# Allegro board RK_EVB7_RK3588_LP4XD200P232SD8_V11_20230111YWQ.brd (continued)
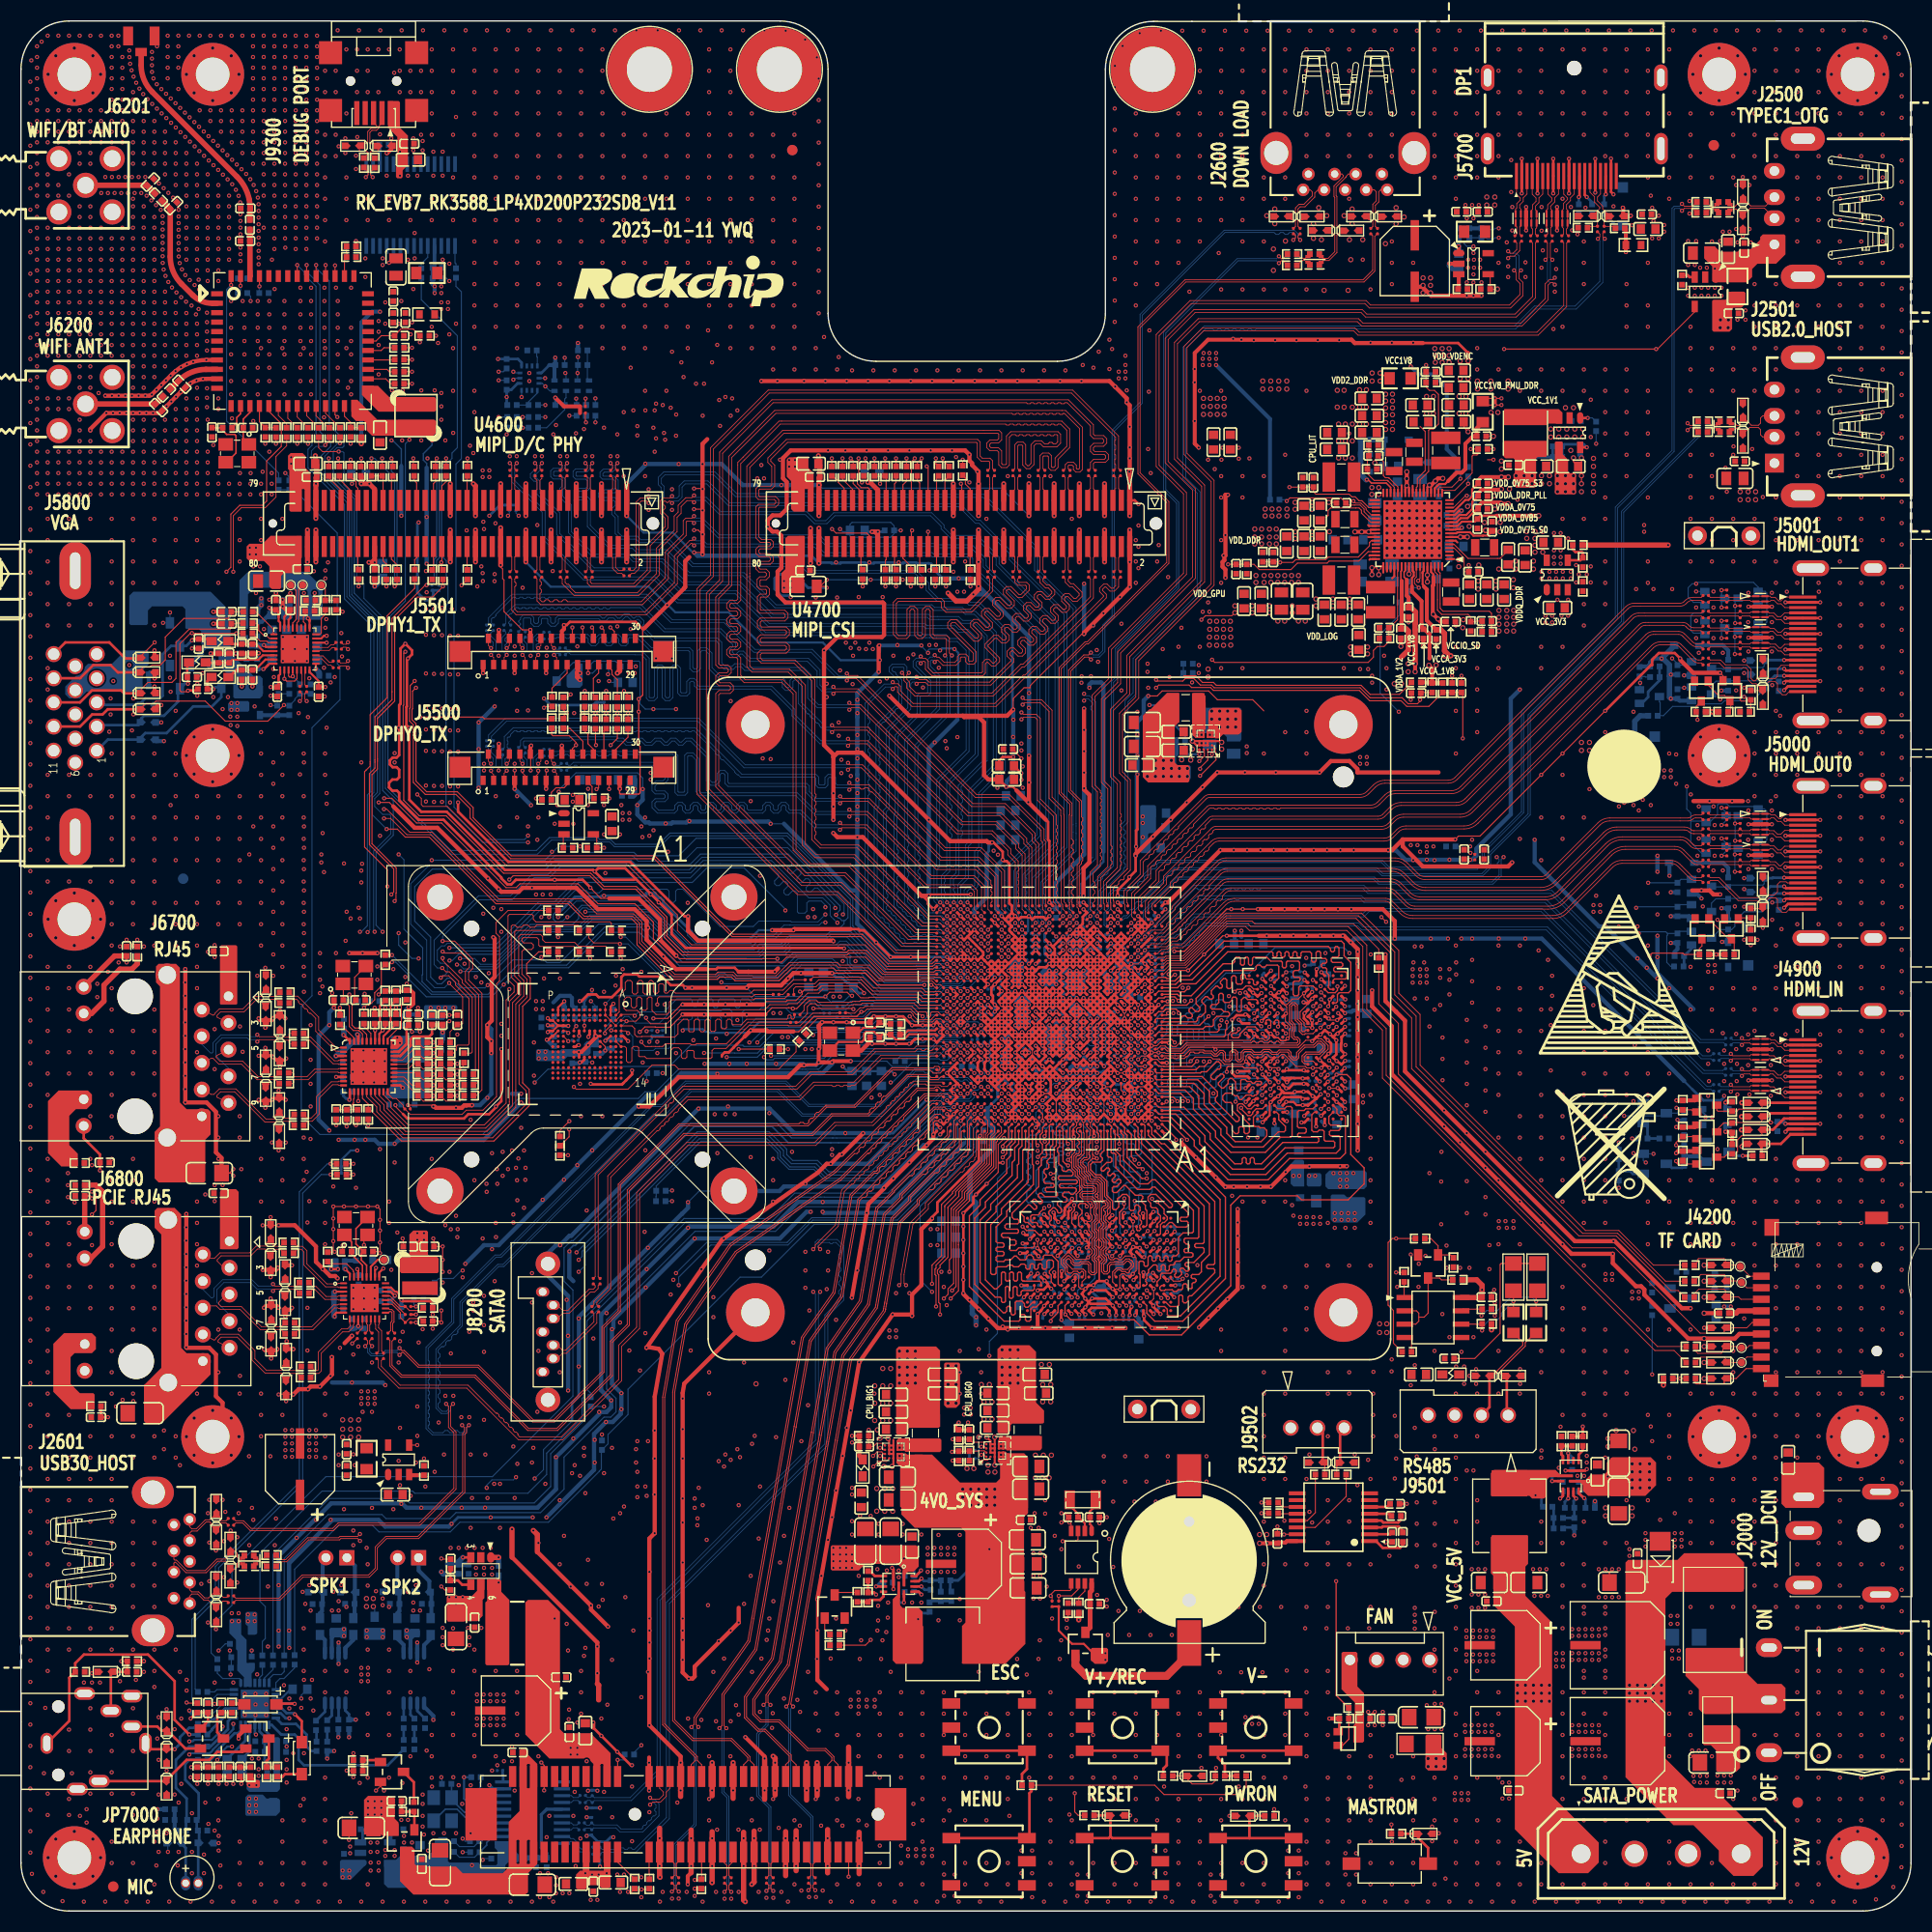
[diagram p0: board, top side]
## Routing (per net, layer and track width the routed paths; a pad name or vN(x,y) marks a point on that pad's centre or on a via; arc(x,y) is an arc through that point) (continued)
HDMI1_TX_CEC_PORT: length 9.4
  TOP w0.254: J5001.13 v1(167.92,119.14)
  BOTTOM w0.104: ED5012.1 166.01,118.56 165.89,118.43 164.01,118.43 163.84,118.26 R5039.2 162.1,118.26 162.03,118.33 Q5013.3
  BOTTOM w0.254: ED5012.1 166.08,119.14 v1(167.92,119.14)
HDMI1_TX_ON_H: length 116.5
  TOP w0.089: U1000.AK25 v1(93.39,92.8)
  L3-POWER1 w0.104: v1(159.03,106.34) 159.03,107.66 158.63,108.06 158.63,109.71 158.57,109.77 158.57,112.68 159.16,113.27 159.16,126.02 v1(159.54,126.41)
  L6-S2 w0.089: v1(93.39,92.8) 93.39,92.99 93.91,93.51 93.91,96.27 93.9,96.28
  L6-S2 w0.104: 93.9,96.28 93.9,96.58 95.07,97.75 95.07,100.42 99.67,105.02 104.59,105.02 105.35,105.78 110.29,105.78 111.04,105.03 129.39,105.03 130.22,105.85 150.68,105.85 151.44,106.62 153.9,106.62 154.17,106.34 v1(159.03,106.34)
  BOTTOM w0.104: Q5012.1 160.22,121.71 159.28,121.71 159.03,121.96 159.03,123.36 159.28,123.61 160.17,123.61 160.37,123.8 Q5010.1 160.1,124.63 159.28,124.63 158.78,125.14 158.78,126.02 159.16,126.41 v1(159.54,126.41) 159.66,126.53 165,126.53 165.44,126.09 Q5011.1 166.1,125.68 166.27,125.52 166.27,122.75 166.11,122.59 Q5009.1
HDMI1_TX_SBDN/EDP1_TX_AUXN: length 63.9
  TOP w0.076: U1000.AP2 108.01,95.73 108.01,95.8 109.73,97.51 109.73,97.85 109.85,97.98 110.02,97.98 110.19,98.14 110.19,98.31 110.35,98.47 110.52,98.47 110.68,98.63 110.68,98.8 110.84,98.96 111.01,98.96 111.17,99.12 111.17,99.29 111.34,99.46 111.51,99.46 111.67,99.62 111.67,99.79 111.83,99.95 112,99.95 112.16,100.11 112.16,100.28 112.32,100.44 112.49,100.44 112.66,100.61 112.66,100.78 112.82,100.94 112.99,100.94 113.15,101.1 113.15,101.27 113.54,101.66 arc(113.8,101.83) 114.1,101.89 129.82,101.89 arc(130.29,101.99) 130.69,102.25 131.22,102.78 arc(131.52,102.99) 131.88,103.06 137.44,103.06 arc(138.16,103.2) 138.77,103.61 155.47,120.31 arc(155.78,120.52) 156.15,120.59 157.51,120.59 arc(157.73,120.54) 157.91,120.42 158.02,120.32 159.28,119.06 arc(159.49,118.91) 159.75,118.86 160.02,118.86 C5016.1
HDMI1_TX_SBDP/EDP1_TX_AUXP: length 64.4
  TOP w0.076: C5015.1 160.02,119.14 159.75,119.14 arc(159.6,119.17) 159.48,119.25 158.11,120.62 arc(157.83,120.8) 157.51,120.87 156.15,120.87 arc(155.68,120.77) 155.28,120.51 138.58,103.81 arc(138.06,103.46) 137.44,103.34 131.88,103.34 arc(131.41,103.24) 131.02,102.98 130.49,102.45 arc(130.18,102.25) 129.82,102.17 114.1,102.17 arc(113.69,102.09) 113.34,101.86 109.45,97.96 109.45,97.63 107.72,95.9 107.72,95.37 U1000.AN2
HDMI1_TX_SCL_PORT: length 10.4
  TOP w0.254: J5001.15 168.09,118.14 v1(167.92,118.3)
  BOTTOM w0.104: ED5011.1 166.05,117.45 165.76,117.16 162.62,117.16 R5021.2 161.44,117.13 161,116.69 Q5007.3
  BOTTOM w0.254: v1(167.92,118.3) 166.61,118.3 ED5011.1
HDMI1_TX_SDA_PORT: length 17.4
  TOP w0.254: J5001.16 v1(167.92,117.64)
  BOTTOM w0.104: ED5010.1 166.07,116.42 164.9,115.26 162.23,115.26 161.95,114.97 159.92,114.97 159.66,114.72 157.3,114.72 156.43,113.85 156.11,113.85 ; R5024.2 155.89,113.85 156.11,113.85 ; 156.11,113.85 156.11,115.09 156.04,115.16 Q5008.3
  BOTTOM w0.254: ED5010.1 166.07,116.68 167.02,117.64 v1(167.92,117.64)
HDMI_RX_CEC: length 104.2
  TOP w0.089: U1000.AG23 v1(94.04,91.5)
  TOP w0.104: Q4904.2 159.3,76.1 159.1,76.3 R4916.2 157.86,76.3 v1(157.67,76.49)
  L3-POWER1 w0.104: v1(157.67,76.49) 157,76.49 156.27,77.22 156.27,77.78 153.16,80.89 153.16,95.34 153.44,95.62 153.44,104.56 153.57,104.69 v1(153.57,105.32)
  L6-S2 w0.089: v1(94.04,91.5) 94.64,92.1 94.64,92.52 94.64,92.52 94.64,92.94 95.02,93.32 95.02,94.89 95,94.9 95,96.28
  L6-S2 w0.104: v1(153.57,105.32) 152.97,105.92 151.88,105.92 151.05,105.09 130.56,105.09 129.81,104.34 111.28,104.34 110.89,104.34 110.28,104.34 109.53,105.08 105.7,105.08 104.9,104.28 99.93,104.28 95.77,100.12 95.77,97.3 95,96.54 95,96.28
HDMI_RX_CEC_PORT: length 9.3
  TOP w0.089: ED4901.1 165.81,76.57 165.61,76.37 164.11,76.37
  TOP w0.104: 164.11,76.37 163.6,76.37 163.41,76.17 R4917.2 161.61,76.17 161.5,76.28 Q4904.3
  TOP w0.254: J4900.13 166.36,76.97 166.36,76.98 165.83,76.98 ED4901.1
HDMI_RX_CLKN: length 63.3
  TOP w0.076: U1000.AF5 v1(106.39,90.85)
  BOTTOM w0.076: v1(106.39,90.85) 106.44,90.91 107.29,90.91 107.56,91.17 108.95,91.17 109.63,91.85 110.89,91.85 111.03,92 111.09,92 111.16,92 111.32,92.16 111.32,92.22 111.32,92.22 111.32,92.28 111.48,92.45 111.54,92.45 111.61,92.45 111.77,92.61 111.77,92.67 111.77,92.67 111.77,92.73 111.93,92.9 111.99,92.9 112.06,92.9 112.22,93.06 112.22,93.12 112.22,93.12 112.22,93.18 112.85,93.82 127.3,93.82 127.68,93.44 145.26,93.44 160.45,78.25 160.93,78.25 161.11,78.07 R4900.2
HDMI_RX_CLKN_PORT: length 8.6
  TOP w0.076: v1(162.84,78.03) 163.03,78.22 164.65,78.22 164.76,78.11 ED4900.10 ED4900.1 166.49,78.11 166.59,78.21 166.82,78.21 167.2,77.83 167.62,77.83 167.98,77.47 J4900.12
  BOTTOM w0.076: R4900.1 161.72,78.08 161.87,78.23 162.65,78.23 v1(162.84,78.03)
HDMI_RX_CLKP: length 63.8
  TOP w0.076: U1000.AF6 v1(105.74,90.85)
  BOTTOM w0.076: v1(105.74,90.85) 106.07,91.19 107.17,91.19 107.44,91.45 108.84,91.45 109.52,92.13 110.77,92.13 112.74,94.1 127.42,94.1 127.8,93.72 145.38,93.72 160.57,78.53 160.93,78.53 161.11,78.7 R4901.2
HDMI_RX_CLKP_PORT: length 8.6
  TOP w0.076: J4900.10 167.97,78.47 167.61,78.11 167.32,78.11 166.94,78.49 166.56,78.49 166.44,78.61 ED4900.2 ED4900.9 164.76,78.61 164.65,78.5 163.03,78.5 v1(162.84,78.69)
  BOTTOM w0.076: v1(162.84,78.69) 162.66,78.51 161.91,78.51 R4901.1
HDMI_RX_D0N: length 64.1
  TOP w0.076: v1(107.04,91.5) U1000.AG4
  BOTTOM w0.076: v1(107.04,91.5) 107.04,91.5 107.04,91.61 107.12,91.69 108.33,91.69 109.38,92.74 109.82,92.74 110.09,93.01 110.27,93.01 110.43,93.17 110.43,93.35 110.59,93.51 110.77,93.51 110.93,93.67 110.93,93.85 111.09,94.01 111.27,94.01 111.43,94.18 111.43,94.35 111.76,94.68 127.89,94.68 128.4,95.19 144.77,95.19 160.19,79.77 162.08,79.77 162.26,79.59 R4902.2
HDMI_RX_D0N_PORT: length 7.5
  TOP w0.076: v1(163.89,79.53) 164.08,79.72 164.65,79.72 164.76,79.61 ED4900.7 ED4900.4 166.46,79.61 166.57,79.72 166.84,79.72 167.23,79.33 167.62,79.33 167.98,78.97 J4900.9
  BOTTOM w0.076: v1(163.89,79.53) 163.68,79.75 163.01,79.75 R4902.1
HDMI_RX_D0P: length 64.5
  TOP w0.076: U1000.AG5 v1(106.39,91.5)
  BOTTOM w0.076: R4903.2 162.26,80.23 162.08,80.05 160.3,80.05 144.88,95.47 128.28,95.47 127.77,94.96 111.64,94.96 109.71,93.02 109.26,93.02 108.21,91.97 107,91.97 106.72,91.69 106.58,91.69 v1(106.39,91.5)
HDMI_RX_D0P_PORT: length 7.5
  TOP w0.076: J4900.7 167.97,79.97 167.61,79.61 167.34,79.61 166.95,80 166.57,80 166.46,80.11 ED4900.5 ED4900.6 164.76,80.11 164.65,80 164.08,80 v1(163.89,80.19)
  BOTTOM w0.076: R4903.1 163.06,80.03 163.73,80.03 v1(163.89,80.19)
HDMI_RX_D1N: length 63.9
  TOP w0.076: U1000.AH5 v1(106.39,92.15)
  BOTTOM w0.076: v1(106.39,92.15) 106.39,92.17 106.41,92.19 106.41,92.21 107.94,92.21 112.14,96.41 112.32,96.41 112.42,96.31 112.65,96.31 112.75,96.41 112.98,96.41 113.08,96.31 113.31,96.31 113.41,96.41 113.64,96.41 113.74,96.31 113.97,96.31 114.07,96.41 114.3,96.41 114.4,96.31 114.63,96.31 114.73,96.41 114.96,96.41 115.06,96.31 115.29,96.31 115.39,96.41 115.62,96.41 115.72,96.31 115.95,96.31 116.05,96.41 127.55,96.41 127.91,96.05 145.14,96.05 160.02,81.17 160.93,81.17 161.09,81.02 R4904.2
HDMI_RX_D1N_PORT: length 8.6
  TOP w0.076: J4900.6 167.98,80.47 167.62,80.83 167.17,80.83 166.84,81.17 166.5,81.17 166.39,81.06 ED4905.1 ED4905.10 164.76,81.06 164.65,81.17 163.03,81.17 v1(162.84,80.98)
  BOTTOM w0.076: R4904.1 161.9,81.19 162.63,81.19 v1(162.84,80.98)
HDMI_RX_D1P: length 64.2
  TOP w0.076: U1000.AH6 v1(105.74,92.15)
  BOTTOM w0.076: v1(105.74,92.15) 106.07,92.49 107.82,92.49 112.03,96.69 127.67,96.69 128.02,96.33 145.26,96.33 160.14,81.45 160.93,81.45 160.93,81.45 161.13,81.65 R4905.2
HDMI_RX_D1P_PORT: length 8.6
  TOP w0.076: J4900.4 167.97,81.47 167.61,81.11 167.29,81.11 166.95,81.45 166.52,81.45 166.41,81.56 ED4905.2 ED4905.9 164.76,81.56 164.65,81.45 163.03,81.45 v1(162.84,81.63)
  BOTTOM w0.076: v1(162.84,81.63) 162.68,81.47 161.9,81.47 R4905.1
HDMI_RX_D2N: length 64.8
  TOP w0.076: U1000.AJ4 v1(107.04,92.8)
  BOTTOM w0.076: v1(107.04,92.8) 107.24,92.8 111.83,97.39 112.02,97.39 112.08,97.33 112.14,97.27 112.37,97.27 112.43,97.33 112.49,97.39 112.72,97.39 112.78,97.33 112.84,97.27 113.07,97.27 113.13,97.33 113.19,97.39 113.42,97.39 113.48,97.33 113.54,97.27 113.77,97.27 113.83,97.33 113.89,97.39 114.12,97.39 114.18,97.33 114.24,97.27 114.47,97.27 114.53,97.33 114.59,97.39 114.82,97.39 114.88,97.33 114.95,97.27 115.17,97.27 115.24,97.33 115.3,97.39 115.53,97.39 115.59,97.33 115.65,97.27 115.88,97.27 115.94,97.33 116,97.39 116.23,97.39 116.29,97.33 116.35,97.27 116.58,97.27 116.64,97.33 116.7,97.39 116.93,97.39 116.99,97.33 117.05,97.27 117.28,97.27 117.34,97.33 117.4,97.39 117.63,97.39 117.69,97.33 117.75,97.27 117.98,97.27 118.04,97.33 118.1,97.39 127.79,97.39 128.27,96.92 145.67,96.92 159.87,82.72 162.13,82.72 R4906.2
HDMI_RX_D2N_PORT: length 7.5
  TOP w0.076: J4900.3 167.98,81.97 167.62,82.33 167.29,82.33 166.95,82.67 166.66,82.67 166.55,82.56 ED4905.4 ED4905.7 164.76,82.56 164.65,82.67 164.08,82.67 v1(163.89,82.48)
  BOTTOM w0.076: R4906.1 163.06,82.69 163.68,82.69 v1(163.89,82.48)
HDMI_RX_D2P: length 64.6
  TOP w0.076: v1(106.39,92.8) U1000.AJ5
  BOTTOM w0.076: v1(106.39,92.8) 106.59,92.8 106.91,93.12 107.17,93.12 111.72,97.67 127.9,97.67 128.38,97.2 145.79,97.2 159.99,83 162.23,83 R4907.2
HDMI_RX_D2P_PORT: length 7.4
  TOP w0.076: J4900.1 167.97,82.97 167.61,82.61 167.4,82.61 167.07,82.95 166.66,82.95 166.55,83.06 ED4905.5 ED4905.6 164.7,83.06 164.59,82.95 164.08,82.95 v1(163.89,83.13)
  BOTTOM w0.076: v1(163.89,83.13) 163.73,82.97 163.01,82.97 R4907.1
HDMI_RX_HPD_PORT: length 5.5
  TOP w0.089: J4900.19 169.67,73.97
  TOP w0.254: 169.67,73.97 168.52,73.97 167.61,73.06 165.78,73.06 ED4904.1 165.76,71.99 R4910.2
HDMI_RX_REXT: length 0.9
  TOP w0.254: U1000.AF3 v1(107.69,90.2)
  BOTTOM w0.254: R1730.1 108.09,90.2 v1(107.69,90.2)
HDMI_RX_SCL_M1: length 108.5
  TOP w0.089: U1000.AG25 v1(93.39,90.85)
  TOP w0.104: v1(157.63,72.94) 157.63,73.19 158.2,73.76 R4913.2 159.4,73.76 Q4902.2
  L3-POWER1 w0.104: v1(157.63,72.94) 157.1,73.47 157.1,75.6 155.98,76.72 155.98,77.75 152.93,80.79 152.93,95.44 153.21,95.71 153.21,104.87 153.21,105.01 v1(152.68,105.54)
  L6-S2 w0.089: v1(93.39,90.85) 93.72,91.18 94.18,91.18 94.83,91.83 94.83,92.44 94.89,92.51 94.89,92.79 95.02,92.92 95.02,92.94 95.21,93.13 95.23,93.13 95.23,93.13 95.48,93.13 95.67,93.32 95.67,93.59 95.65,93.6 95.65,93.95 95.67,93.97 95.67,94.24 95.34,94.57 95.34,96.28
  L6-S2 w0.102: 95.34,96.34 95.34,96.28
  L6-S2 w0.104: v1(152.68,105.54) 152.65,105.58 151.86,105.58 151.1,104.82 130.61,104.82 129.85,104.05 110.24,104.05 109.44,104.85 105.85,104.85 105.05,104.05 100.03,104.05 96,100.02 96,97.08 95.34,96.42 95.34,96.34
HDMI_RX_SDA_M1: length 108.9
  TOP w0.089: U1000.AG24 v1(94.04,90.85)
  TOP w0.104: 158.59,71.15 R4919.2 ; 158.59,71.15 157.77,71.15 157.63,71.29 v1(157.63,71.41) ; 158.59,71.15 Q4905.2
  L3-POWER1 w0.104: v1(157.63,71.41) 157.12,71.41 156.87,71.67 156.87,75.51 155.89,76.49 155.89,76.49 155.73,76.65 155.73,77.67 152.68,80.72 152.68,94.91 152.7,94.93 152.7,95.53 152.84,95.67 152.84,95.67 152.98,95.81 152.98,104.4 v1(152.18,105.2)
  L6-S2 w0.089: 95.66,96.28 95.66,94.53 95.86,94.32 95.86,92.86 95.49,92.48 95.14,92.48 95.02,92.36 95.02,91.72 94.16,90.85 v1(94.04,90.85)
  L6-S2 w0.102: 95.66,96.41 95.66,96.28
  L6-S2 w0.104: 95.66,96.41 96.23,96.98 96.23,99.93 100.1,103.8 105.13,103.8 105.95,104.62 109.34,104.62 110.16,103.8 129.92,103.8 130.69,104.56 151.28,104.56 151.92,105.2 v1(152.18,105.2)
HDMI_RXDDC_SCL_PORT: length 9.3
  TOP w0.089: ED4902.1 165.81,75.3 165.61,75.1 164.11,75.1
  TOP w0.104: Q4902.3 161.5,74.4 162.15,75.04 R4914.2 163.02,75.1 164.11,75.1
  TOP w0.254: J4900.15 166.63,75.97 166.34,75.68 ED4902.1
HDMI_RXDDC_SDA_PORT: length 10.6
  TOP w0.089: 164.11,73.83 165.63,73.83 165.8,73.99 ED4903.1
  TOP w0.104: Q4905.3 162.23,71.8 162.54,72.11 R4920.2 163.28,72.11 163.47,72.3 163.47,73.45 163.86,73.83 164.11,73.83
  TOP w0.254: ED4903.1 166.86,74.41 167.91,75.47 J4900.16
HDMI_TX0_REXT: length 0.9
  TOP w0.203: U1000.AM2 v1(108.34,94.75)
  BOTTOM w0.254: v1(108.34,94.75) 107.98,94.75 107.9,94.83
HDMI_TX1_REXT: length 0.9
  TOP w0.203: U1000.AN1 v1(108.99,95.4)
  BOTTOM w0.254: v1(108.99,95.4) 108.76,95.4 R1719.1
HDMI_VDDA0V85_S0: length 12
  TOP w0.203: C2267.1 138.66,133.55 137.77,132.65 137.12,132.65 136.72,132.26 U2200.11
  TOP w0.254: U1000.AC9 103.14,88.25 U1000.AB9 ; U1000.AC9 103.14,88.9 103.47,89.22 ; U1000.AC9 103.79,88.25 v1(103.79,88.25) 103.79,88.25 U1000.AB9 ; U1000.AC9 103.47,88.58 103.74,88.85 103.74,88.89 v1(103.75,88.9) 103.74,88.91 103.74,88.95 103.47,89.22 ; 103.47,89.22 U1000.AD9 ; U1000.AB9 103.14,87.6 U1000.AA9 103.47,87.28 v1(103.79,87.6) 103.79,87.6 U1000.AB9
  TOP w0.381: C2267.1 138.77,133.76 139.15,134.14 140.88,134.14 v2(140.98,134.04) 141,134.03 v2(141.63,134.03)
  vias: v1(138.01,101.39) v1(138.04,100.77)
HDMIIRX_DET_L: length 176.7
  TOP w0.104: R1532.2 v1(52.1,71.98)
  L3-POWER1 w0.104: v1(52.1,71.98) 52.48,71.6 52.48,64.24 53.67,63.04 53.67,54.32 52.6,53.25 52.6,48.81 52.22,48.43 52.22,42.97 v1(52.73,42.46) ; v1(152.68,75.73) 152.68,57.95 154.33,56.3 154.33,47.03 v1(155.22,46.14)
  L6-S2 w0.104: v1(155.22,46.14) 154.2,45.13 153.57,45.13 149,40.55 143.92,40.55 143.28,39.92 97.34,39.92 94.57,37.15 91.12,37.15 91.01,37.25 85.32,37.25 83.54,39.03 74.32,39.03 72.16,41.19 54.64,41.19 53.75,42.08 53.11,42.08 v1(52.73,42.46)
  BOTTOM w0.104: v1(152.68,75.73) 156.45,75.73 Q4900.3 157.76,75.99 157.96,76.18 R4909.2
HDMIIRX_HPDOUT_H: length 220
  TOP w0.089: U1000.AA27 v1(92.09,86.95)
  L3-POWER1 w0.104: v1(59.08,89.45) 58,88.37 58,85.07 58.27,84.79 58.27,80.66 57.77,80.16 57.77,55.25 53.24,50.72 53.24,43.19 53.49,42.94 53.49,41.69 v1(53.24,41.44) ; v1(155.35,44.74) 154.08,46.01 154.08,56.17 152.43,57.83 152.43,68.62 v1(152.17,68.87)
  L6-S2 w0.089: v1(92.09,86.95) 91.77,87.28 90.6,87.28 90.47,87.41 90.47,87.74 89.82,88.39 87.72,88.39 86.91,87.58 86.42,87.58
  L6-S2 w0.104: v1(59.08,89.45) 59.19,89.45 59.65,88.98 62.49,88.98 62.67,89.16 69.91,89.16 70.87,88.2 73.31,88.2 73.68,88.58 73.88,88.58 80.6,88.58 81.6,87.58 86.42,87.58 ; v1(53.24,41.44) 53.87,41.44 54.38,40.93 72.03,40.93 74.19,38.78 83.46,38.78 85.24,37 90.94,37 91.02,36.92 94.66,36.92 97.43,39.69 143.43,39.69 144.04,40.3 149.25,40.3 153.7,44.74 v1(155.35,44.74)
  BOTTOM w0.104: R4918.1 v1(152.17,68.87)
HDMITX0_CEC_M0: length 84.3
  TOP w0.089: U1000.AK24 v1(93.39,93.45)
  L3-POWER1 w0.104: v1(154.33,106.72) 154.84,106.21 154.84,99.23 154.97,99.1 v1(154.97,97.93)
  L6-S2 w0.089: 93.67,96.28 93.67,96.19 93.72,96.14 93.72,93.78 v1(93.39,93.45)
  L6-S2 w0.104: v1(154.33,106.72) 154.2,106.85 151.34,106.85 150.58,106.09 130.12,106.09 129.3,105.26 111.98,105.26 111.23,106.01 105.25,106.01 104.5,105.26 99.54,105.26 94.84,100.55 94.84,97.85 93.67,96.68 93.67,96.28
  BOTTOM w0.104: v1(154.97,97.93) R5017.2 158.09,98.25 Q5002.2
HDMITX0_HPDIN_M0: length 110.4
  TOP w0.089: 92.23,72.96 92.23,73.48 92.31,73.56 92.31,73.75 92.71,74.16 92.71,74.63 U1000.B26
  TOP w0.104: v1(155.09,90.97) 155.34,91.22 158.27,91.22 158.39,91.1 R5050.1 159.85,91.67 160.09,91.91 Q5016.3 ; v1(88.42,60.87) 88.42,62.02 88.59,62.19 88.59,66.83 88.59,66.83 88.59,66.9 89.63,67.95 89.63,68.53 92.23,71.13 92.23,72.96
  L6-S2 w0.104: v1(155.09,90.97) 155.09,90.69 128.83,64.43 124.36,64.43 113.18,53.25 95.88,53.25 95.24,53.89 91.52,53.89 89.05,56.36 89.05,60.24 v1(88.42,60.87)
HDMITX0_SCL_M0: length 218
  TOP w0.089: U1000.AJ28 v1(90.79,92.8)
  L3-POWER1 w0.104: v1(57.05,56.05) 57.05,84.36 55.02,86.39 55.02,88.05 55.59,88.63 55.59,93.73 56.03,94.17 56.03,97.07 55.65,97.45 v1(55.65,98.85) ; v1(153.7,82.46) 153.4,82.76 153.4,95.12 v1(153.82,95.54)
  L6-S2 w0.089: 89.82,96.28 89.82,93.89 89.93,93.78 90.31,93.78 90.47,93.62 90.47,93.13 v1(90.79,92.8)
  L6-S2 w0.102: 89.71,96.41 89.82,96.3 89.82,96.28
  L6-S2 w0.104: 89.71,96.41 88.16,97.96 76.6,97.96 75.18,99.38 56.74,99.38 56.21,98.85 v1(55.65,98.85) ; v1(153.7,82.46) 147.19,82.46 128.9,64.18 124.43,64.18 113.26,53 93.23,53 92.72,52.49 92.07,52.49 91.8,52.77 91.05,52.77 90.52,52.77 89.25,54.04 86.07,57.22 80.95,57.22 78.77,55.03 75.05,55.03 71.15,58.94 70.45,58.94 64.89,58.94 63.11,57.16 62.8,57.16 62.79,57.16 60.35,57.16 60.35,57.16 58.16,57.16 v1(57.05,56.05)
  BOTTOM w0.104: v1(153.82,95.54) 153.92,95.64 R5000.2 157.96,95.84 Q5000.2
HDMITX0_SDA_M0: length 93.8
  TOP w0.089: U1000.AJ25 v1(93.39,92.15)
  L3-POWER1 w0.104: v1(154.08,93.1) 154.58,93.61 154.58,105.7 v1(154.46,105.83)
  L6-S2 w0.089: 94.13,96.28 94.13,93.46 93.72,93.05 93.72,92.59 93.39,92.26 v1(93.39,92.15)
  L6-S2 w0.104: v1(154.46,105.83) 154.18,106.11 154.08,106.11 153.8,106.39 151.58,106.39 150.78,105.58 130.27,105.58 129.49,104.8 111.08,104.8 111.08,104.8 110.7,104.8 109.95,105.54 105.44,105.54 104.69,104.79 99.79,104.79 95.3,100.31 95.3,97.6 94.13,96.43 94.13,96.28
  BOTTOM w0.104: C5010.2 157.12,89.96 156.74,90.34 156.74,92.88 156.81,92.94 156.81,93.1 ; Q5001.2 157.96,93.3 R5002.2 156.81,93.1 ; 156.81,93.1 156.65,93.26 154.24,93.26 v1(154.08,93.1)
HDMITX1_CEC_M2: length 88.3
  TOP w0.089: U1000.AH26 v1(92.09,91.5)
  L6-S2 w0.089: 92.29,96.13 92.29,95.1 92.15,94.96 92.15,93.86 92.67,93.33 92.67,92.08 v1(92.09,91.5)
  L6-S2 w0.104: v1(157.25,119.29) 158,118.55 158,115.41 156.8,114.21 155.35,114.21 148.23,107.1 148.18,107.1 148.11,107.03 129.62,107.03 128.8,106.21 112.42,106.21 111.69,106.93 104.87,106.93 104.12,106.18 99.13,106.18 93.88,100.93 93.88,98.19 92.29,96.6 92.29,96.19 92.29,96.18 92.29,96.13
  BOTTOM w0.104: v1(157.25,119.29) 157.76,118.79 R5038.2 158.77,118.65 Q5013.2
HDMITX1_HPDIN_M0: length 142.1
  TOP w0.089: v1(93.39,75.9) 93.72,75.58 U1000.C24
  TOP w0.104: Q5014.3 159.53,114.73 R5051.1 159.66,114.08 v1(159.66,113.45)
  L3-POWER1 w0.104: v1(134.14,70.27) 134.26,70.4 134.26,83.61 136.68,86.02 v1(136.68,89.19) ; v1(159.66,113.45) 158.8,112.58 158.8,109.87 158.86,109.81 158.86,108.16 159.54,107.48 159.54,105.58 159.28,105.32 159.28,96.56 v1(160.17,95.67)
  L6-S2 w0.089: v1(93.39,75.9) 93.72,75.58 93.72,74.99 92.89,74.16 92.89,73.48 92.88,73.47
  L6-S2 w0.104: v1(160.17,95.67) 158.65,95.67 157.25,94.27 156.49,94.27 152.17,89.96 137.44,89.96 v1(136.68,89.19) ; v1(134.14,70.27) 134.14,70.06 128.76,64.68 124.29,64.68 113.09,53.48 95.97,53.48 95.31,54.14 91.59,54.14 89.31,56.43 89.31,69.89 92.88,73.47
HDMITX1_SCL_M1: length 85.1
  TOP w0.089: U1000.AG26 v1(92.09,90.85)
  L6-S2 w0.089: v1(92.09,90.85) 92.09,91.04 92.23,91.18 92.86,91.81 92.86,93.41 92.34,93.94 92.34,94.81 92.51,94.98 92.51,96.18 92.52,96.19 92.52,96.28
  L6-S2 w0.104: 92.52,96.28 92.52,96.51 94.15,98.14 94.15,100.87 99.22,105.95 104.21,105.95 104.96,106.7 111.6,106.7 112.32,105.98 128.95,105.98 129.77,106.8 148.21,106.8 148.25,106.85 148.36,106.85 155.5,113.98 156.89,113.98 158.39,115.48 v1(158.39,116.5)
  BOTTOM w0.104: R5020.2 157.89,116.5 v1(158.39,116.5) 159.03,116.5 Q5007.2
HDMITX1_SDA_M1: length 85.1
  TOP w0.089: U1000.AH25 v1(93.39,91.5)
  L3-POWER1 w0.104: v1(154.2,116.96) 154.2,107.61 153.57,106.97 v1(153.57,106.01)
  L6-S2 w0.089: 94.38,96.28 94.32,96.22 94.32,93.25 94.39,93.19 94.39,93.13 94.47,93.05 94.39,92.96 94.37,92.94 94.37,92.67 94.18,92.48 94.16,92.48 94.16,92.48 93.91,92.48 93.72,92.29 93.72,92.02 93.73,92 93.73,91.84 v1(93.39,91.5)
  L6-S2 w0.104: 94.38,96.28 95.53,97.43 95.53,100.21 99.88,104.56 104.79,104.56 105.54,105.31 109.63,105.31 110.38,104.57 110.8,104.57 110.8,104.57 111.18,104.57 129.71,104.57 130.49,105.35 150.68,105.35 150.87,105.35 151.68,106.15 153.42,106.15 v1(153.57,106.01)
  BOTTOM w0.104: Q5008.2 154.2,116.37 v1(154.2,116.96) 154.2,117.52 R5022.2 154.66,117.57 154.72,117.52 C5025.2
HOST0_DM: length 9.3
  TOP w0.084: L2601.3 21,33.52 20.98,33.52 20.95,33.49 20.81,33.49 20.58,33.72 20.58,34.08 20.38,34.28 ED2610.1 19.92,34.28 19.72,34.08 19.72,33.72 19.52,33.52 18.64,33.52 17.55,32.43 15.8,32.43 14.81,33.42 14.66,33.42 14.56,33.51 J2601.2
HOST0_DP: length 9.7
  TOP w0.084: R2614.1 21.27,32.89 L2601.1 20.87,33.29 20.76,33.29 20.58,33.11 20.58,32.76 20.38,32.55 ED2611.1 19.72,32.76 19.72,33.11 19.52,33.31 18.73,33.31 17.64,32.22 15.71,32.22 14.72,33.21 14.64,33.21 14.56,33.13 J2601.3
HOST0_REXT: length 0.9
  TOP w0.254: v1(103.79,91.5) U1000.AG9
  BOTTOM w0.254: v1(103.79,91.5) 103.64,91.65 R1400.1
HOST1_DM: length 5.6
  TOP w0.084: L2501.3 163.26,141.09 163.43,141.26 163.64,141.26 163.73,141.18 163.73,140.87 ED2501.1 164.63,141.29 165.46,141.29 165.67,141.09 165.67,140.59 165.87,140.39 J2501.2
HOST1_DP: length 5.8
  TOP w0.084: L2501.1 163.26,141.64 163.43,141.47 163.64,141.47 163.73,141.55 163.73,142 ED2500.1 164.8,141.49 165.46,141.49 165.67,141.7 165.67,142.19 165.87,142.39 J2501.3
HOST1_REXT: length 1
  TOP w0.254: U1000.AH9 v1(103.79,92.15)
  BOTTOM w0.254: R1401.1 103.96,91.99 v1(103.79,92.15)
HOST_WAKE_BT_H: length 132.3
  TOP w0.089: U1000.P30 89.82,82.73 v1(90.14,82.4)
  L3-POWER1 w0.089: v1(90.14,82.4) 89.82,82.73 87.64,82.73 87.63,82.72 86.64,82.72 86.42,82.94 86.42,83.09
  L3-POWER1 w0.104: 86.42,83.09 86.03,83.48 82.58,83.48 81.94,84.11 74.32,84.11 73.03,85.41 73.03,85.79 72.03,86.78 71.34,86.78 67.62,90.5 66.64,90.5 65.33,90.5 63.94,91.88 63.02,92.81 63.02,99.99 63.24,100.21 63.24,113.2 63.65,113.61 63.65,115.09 63.39,115.36 63.39,137.97 62.89,138.47 62.89,144.82 62,145.71 v1(62,148.5)
  L6-S2 w0.104: v1(21.87,153.33) 22.5,152.69 30.76,152.69 33.68,149.77 35.46,149.77 36.73,148.5 38.13,148.5 38.38,148.25 44.48,148.25 44.6,148.38 54,148.38 54.25,148.12 61.62,148.12 v1(62,148.5)
  BOTTOM w0.104: v1(21.87,153.33) 21.87,153.78 R6212.1
HOST_WAKE_BT_S: length 2.5
  TOP w0.104: U6200.49 v1(20.91,154.78)
  BOTTOM w0.104: R6213.1 20.91,155.24 v1(20.91,154.78) 20.91,154.34 R6212.2
HP_DET_L: length 96.3
  TOP w0.104: R7019.2 v1(9.55,23.79)
  TOP w0.254: R7019.2 C7022.1 8.68,22.77 ED7005.1 8.56,22.69 JP7000.5
  L3-POWER1 w0.104: v1(59.59,39.54) 59.97,39.92 59.97,44.46 60.09,44.59 60.09,44.9 59.97,45.03 59.97,47.67 61.78,49.48 61.78,57.25 63.02,58.48 63.02,60.75 62,61.76 v1(62,67.6)
  L6-S2 w0.104: v1(59.59,39.54) 59.08,39.03 57.97,39.03 57.59,39.41 52.1,39.41 49.81,41.7 40.9,41.7 40.26,41.06 31.01,41.06 19.08,29.12 18.44,29.12 14.59,25.27 14.58,25.27 14.35,25.05 14.35,25.04 13.74,24.42 12.22,24.42 12.09,24.55 11.2,24.55 11.07,24.42 10.19,24.42 v1(9.55,23.79)
  BOTTOM w0.104: R1530.2 v1(62,67.6)
HP_GND: length 26.1
  TOP w0.254: v1(16.03,16.8) 14.63,18.2 14.63,21.88 12.09,24.42 5.99,24.42 5.16,23.59 R7015.1 4.6,22.21 4.6,18.11 JP7000.1
  BOTTOM w0.254: C7008.2 v1(16.03,16.8)
I2C0_SCL_M2: length 87.4
  TOP w0.089: U1000.W30 v1(89.49,85.65)
  TOP w0.104: U2301.A3 82.12,43.93 81.94,44.11 v1(81.81,44.11) ; v1(91.47,44.21) 91.76,44.21 91.91,44.06 U2300.A3
  L3-POWER1 w0.104: v1(69.62,44.49) 69.37,44.74 69.37,52.49 67.46,54.4 67.46,62.4 70.91,65.85 70.91,65.9 70.91,72.71 73.54,75.33 73.54,81.7 73.79,81.95 73.79,83.58 72.29,85.08 72.29,85.49 v1(72.31,85.51)
  L6-S2 w0.089: v1(89.49,85.65) 89.3,85.65 88.98,85.33 87.97,85.33 87.48,85.81 86.42,85.81
  L6-S2 w0.104: v1(91.47,44.21) 91.36,44.11 v1(81.81,44.11) 74.07,44.11 73.84,44.34 69.77,44.34 v1(69.62,44.49) ; v1(72.31,85.51) 79.4,85.51 79.4,85.51 79.43,85.51 79.65,85.74 79.65,85.76 79.66,85.77 79.66,85.8 79.88,86.02 80.19,86.02 80.4,85.81 86.42,85.81
  BOTTOM w0.104: v1(91.47,44.21) 91.11,43.86 R1140.2
I2C0_SDA_M2: length 93.1
  TOP w0.089: U1000.W29 v1(90.14,85.65)
  TOP w0.104: U2300.B1 92.34,43.23 92.06,42.96 91.63,42.96 v1(91.47,42.8) ; U2301.B1 82.68,43.07 82.44,42.83 81.68,42.83 v1(81.18,42.33)
  L3-POWER1 w0.104: v1(71.65,85.51) 71.65,85.38 73.56,83.48 73.56,82.05 73.3,81.79 73.3,75.42 70.68,72.8 70.68,66 67.21,62.52 67.21,54.27 68.22,53.25 v1(68.22,43.98)
  L6-S2 w0.089: 86.42,86.04 87.76,86.04 87.82,85.98 89.82,85.98 v1(90.14,85.65)
  L6-S2 w0.104: v1(91.47,42.8) 89.52,42.8 88.67,41.95 83.18,41.95 83.13,41.9 82.78,41.9 81.61,41.9 v1(81.18,42.33) 77.88,42.33 77.02,43.19 73.68,43.19 73.5,43.37 69.07,43.37 68.46,43.98 v1(68.22,43.98) ; 86.42,86.04 80.49,86.04 80.26,86.27 76.35,86.27 76.28,86.34 74.96,86.34 74.96,86.33 72.47,86.33 v1(71.65,85.51)
  BOTTOM w0.104: R1139.2 91.17,43.09 v1(91.47,42.8)
I2C1_SCL_M2: length 113.4
  TOP w0.089: U1000.V29 v1(90.14,85)
  TOP w0.104: v1(112.22,109.51) 112.7,110 112.7,110.55 U2303.A3
  L3-POWER1 w0.104: v1(59.08,103.29) 58.76,102.97 58.76,90.89 59.46,90.19 59.46,85.65 59.07,85.26 59.07,84.3 v1(59.58,83.79)
  L6-S2 w0.089: 86.42,84.75 87.61,84.75 87.87,84.49 87.87,84.47 87.87,84.47 87.87,84.16 88,84.03 88.71,84.03 88.71,84.03 88.98,84.03 89.17,84.22 89.17,84.24 89.17,84.24 89.17,84.59 89.26,84.68 89.82,84.68 v1(90.14,85)
  L6-S2 w0.102: 86.42,84.75 86.34,84.75
  L6-S2 w0.104: 86.34,84.75 84.72,84.75 84.46,84.5 79.03,84.5 78.8,84.26 76.14,84.26 75.65,84.75 73.5,84.75 73.05,84.3 68.79,84.3 68.61,84.11 67.43,84.11 67.25,84.3 60.53,84.3 60.03,83.79 v1(59.58,83.79) ; v1(112.22,109.51) 111.58,110.15 107.69,110.15 105.53,107.99 98.94,107.99 94.15,103.21 92.64,103.21 90.56,101.13 77.51,101.13 75.51,103.14 60.66,103.14 60.38,103.42 59.97,103.42 59.84,103.29 v1(59.08,103.29)